# Altium PCB Copy of KaRadioWired.PcbDoc (part 2 of 3) (continued)
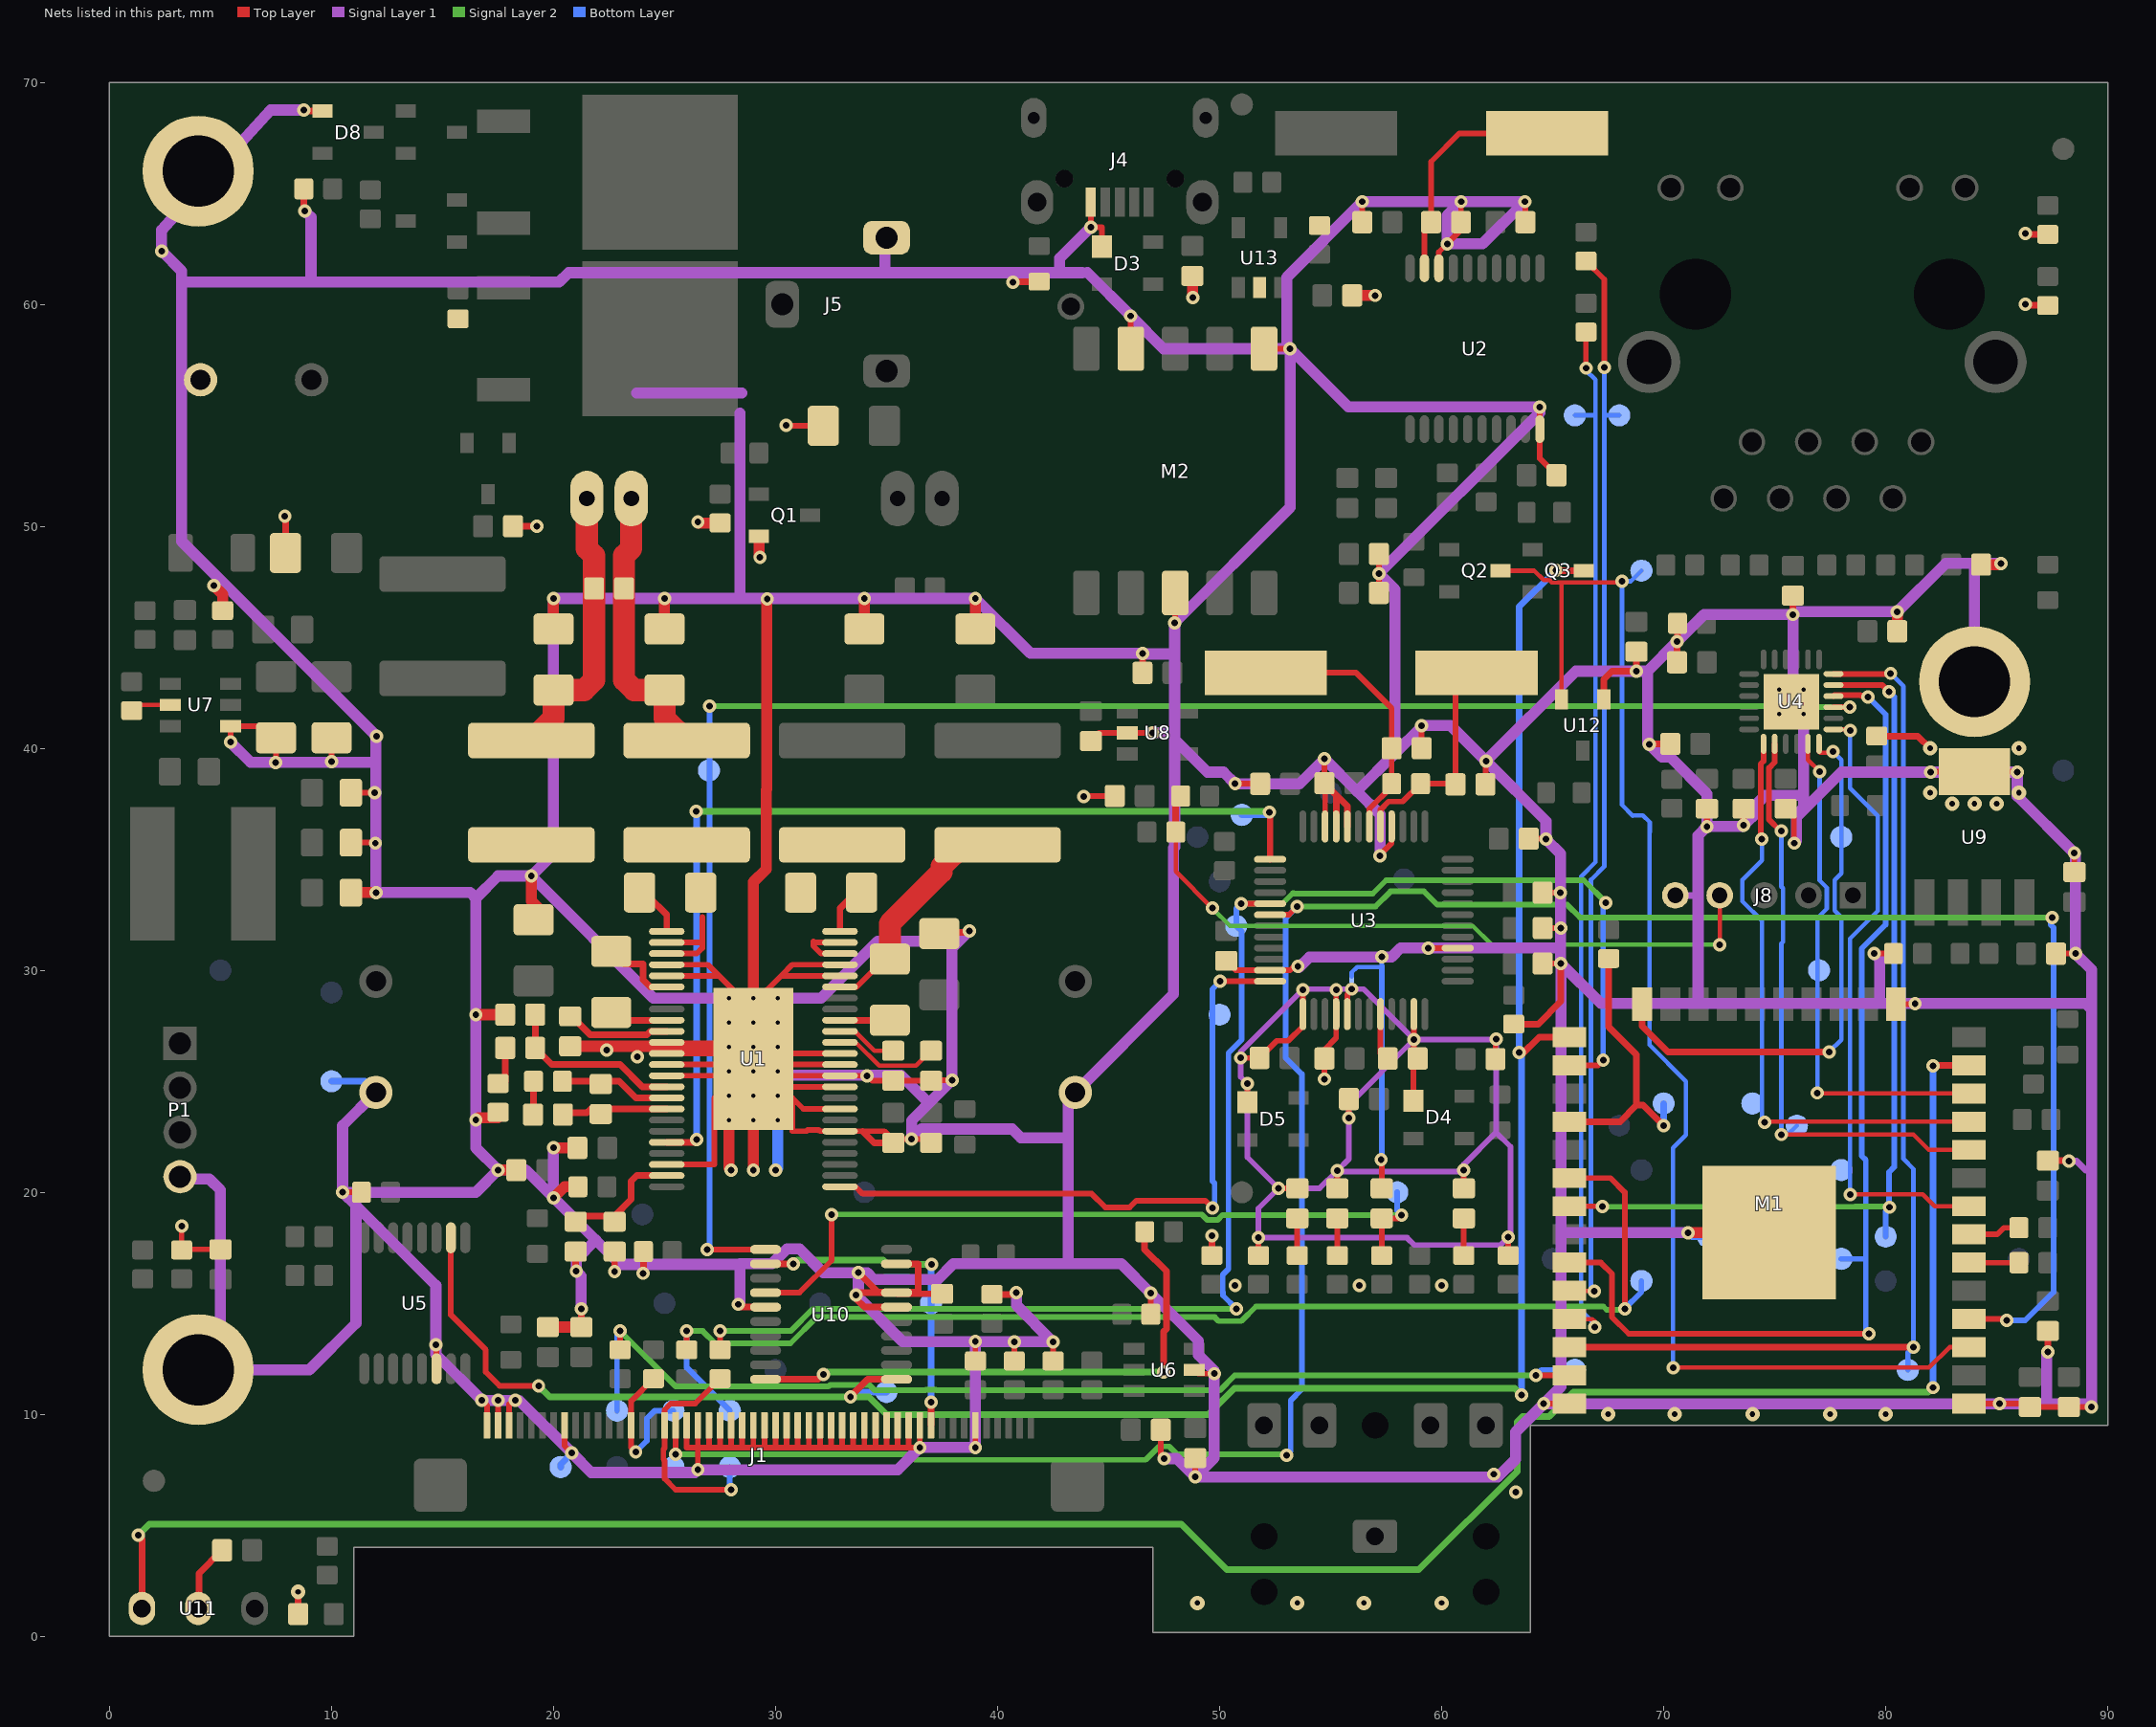
[diagram p4: the nets of this part, all layers, seen from the top]
## Nets (pads, with @x,y where several pads share a name; then routed paths per layer and width w, separated by ;. In a path a pad name is that pad's centre, name@x,y a point inside that pad or via, vN(x,y) a via of type N, cw(c..) or ccw(c..) an arc to the next point about the centre after c; other vN are vias at no path point) (continued)
  Top Layer w0.3: M1.24@69.035,28.48 69.035,27.49 70.2,26.325 v2(77.45,26.325)
  Bottom Layer w0.2: v2(77.45,26.325) 78,26.875 78,32.382 77.7,32.682 77.7,34.068 78,34.368 TP31.1@78,36 78,39.475 v2(77.625,39.85)
Eth_nRST: TP33.1 U4.15 U10.11 | length 79.4
  Top Layer w0.254: v2(26.925,17.425) U10.11@29.55,17.425 ; U4.15@77.65,41.85 v2(78.375,41.85)
  Signal Layer 2 w0.254: v2(27.025,41.9) 74.84,41.9 74.992,42.052 76.508,42.052 76.71,41.85 v2(78.375,41.85)
  Bottom Layer w0.254: v2(26.925,17.425) 27.025,17.525 v2(27.025,41.9)
Eth_RXD0: M1.10 TP28.1 U4.8 | length 27.6
  Top Layer w0.2: v2(75.3,22.6) 81.25,22.6 81.94,21.91 M1.10@83.75,21.91
  Top Layer w0.254: U4.8@75,40.2 75,39.365 74.748,39.113 74.748,36.787 75.26,36.275 v2(75.3,36.275)
  Bottom Layer w0.2: v2(75.3,36.275) 75.3,33.767 75.375,33.692 75.375,31.275 75.3,31.2 v2(75.3,22.6) 75.6,22.6 TP28.1@76,23
Eth_RXD1: M1.11 TP29.1 U4.7 | length 27
  Top Layer w0.2: v2(74.55,23.15) 74.58,23.18 M1.11@83.75,23.18
  Top Layer w0.254: v2@74.369,35.956 74.369,39.294 74.5,39.425 U4.7@74.5,40.2
  Bottom Layer w0.2: v2(74.425,35.9) 74.425,34.95 73.55,34.075 73.55,33.108 74.425,32.233 74.425,23.275 v2(74.55,23.15)
Eth_TXD0: M1.31 TP25.1 U4.17 | length 41.9
  Top Layer w0.254: M1.31@65.75,19.37 67.23,19.37 v2(67.25,19.35) ; U4.17@77.65,42.85 78.95,42.85 78.955,42.855 79.845,42.855 v2(80.15,42.55)
  Signal Layer 2 w0.254: v2(67.25,19.35) 67.252,19.348 78.629,19.348 78.631,19.35 80.15,19.35 v2(80.175,19.325)
  Bottom Layer w0.254: TP25.1@80,18 80,19.15 v2(80.175,19.325) 80.148,19.352 80.148,20.904 80.381,21.137 80.381,42.319 v2(80.15,42.55)
Eth_TXD1: M1.36 TP26.1 U4.18 | length 50
  Top Layer w0.254: U4.18@77.65,43.35 80.2,43.35 v2(80.225,43.375)
  Top Layer w0.3: M1.36@65.75,13.02 81.245,13.02 v2(81.25,13.025)
  Bottom Layer w0.2: v2(80.225,43.375) 80.8,42.8 80.8,21.5 81.25,21.05 v2(81.25,13.025)
  Bottom Layer w0.254: TP26.1@81,12 81,12.775 v2(81.25,13.025)
Eth_TXEN: M1.33 TP27.1 U4.16 | length 48
  Top Layer w0.254: M1.33@65.75,16.83 67.17,16.83 67.675,16.325 67.675,14.375 68.425,13.625 v2(79.25,13.625) ; U4.16@77.65,42.35 77.702,42.402 78.862,42.402 v2@78.914,42.35
  Bottom Layer w0.254: TP27.1@78,17 79.105,17 ; v2(79.207,42.303) 79.222,42.303 80.002,41.523 80.002,32.058 78.923,30.979 78.923,21.638 79.105,21.456 79.105,17 ; v2(79.25,13.625) 79.105,13.77 79.105,17
GND: 1.1 C1.2 C2.2 C4.1 C5.1 C9.1 C10.1 C11.1 C12.1 C16.1 C17.2 C18.1 C19.2 C20.2 C21.1 C22.1 C23.1 C24.1 C28.1 C29.1 C31.2 C32.1 C33.1 C34.1 C35.1 C36.2 C37.1 C38.1 C39.2 C40.2 C41.1 C42.2 C43.2 C44.1 C45.2 C46.2 C47.2 C52.1 C53.1 C54.1 C55.1 C56.2 C57.1 C58.1 C59.2 C60.1 C61.1 C64.1 C65.1 C66.1 C68.1 C69.1 C70.1 C71.1 C72.1 C74.1 C75.1 C76.1 C77.1 C78.1 C79.2 C80.2 C83.1 C84.1 C85.1 C86.2 C87.1 C88.1 C89.1 C90.1 C91.1 D1.1 D3.1 D8.1 H1.1 H2.1 H3.1 J1.6 J1.11 J1.12 J1.13 J1.14 J1.15 J1.16 J1.17 J1.18 J1.19 J1.20 J1.21 J1.22 J1.23 J1.24 J1.25 J1.26 J1.27 J1.28 J1.29 J1.30 J1.31 J1.32 J1.43 J1.48 J1.49 J1.50 J4.5 J5.2 J8.5 L18.2 M1.1 M1.15 M1.38 M1.39 M2.3 M2.6 M2.9 P1.4 Q1.2 R2.1 R3.1 R17.1 R18.1 R19.1 R20.1 R21.1 R23.1 R34.1 R35.1 R36.2 R40.1 R42.1 R50.2 R51.1 R52.1 R56.1 R61.1 R62.2 R63.1 R64.1 R65.1 TP24.1 TP37.1 TP38.1 TP44.1 U1.4 U1.5 U1.11 U1.12 U1.13 U1.14 U1.22 U1.30 U1.32 U1.34 U1.35 U1.36 U1.37 U1.44 U1.45 U1.49 U2.8 U2.20 U3.4 U3.16 U3.20 U3.21 U3.22 U3.35 U4.25 U5.6 U6.2 U7.1 U8.2 U9.5 U10.6 U10.7 U10.9 U10.15 U11.2 U12.1 U13.2 | length 1034.9
  Top Layer w0.25: v1(3.25,18.475) R56.1@3.25,17.4 3.275,17.425 C87.1@5,17.425 ; v1(30.475,54.55) 30.5,54.525 C88.1@32.15,54.525 ; v1(43.875,37.825) 43.9,37.85 C89.1@45.275,37.85
  Top Layer w0.254: v2(5.45,40.275) U7.1@5.45,41 6.975,41 C71.1@7.5,40.475 7.5,39.375 v2(7.475,39.35) ; v2(10,39.4) 10,39.475 C72.1@10,40.475 ; v1(10.5,20) R36.2@11.35,20 ; C69.1@10.875,35.75 11.95,35.75 v2(11.975,35.725) ; C70.1@10.875,38 v2(11.95,38) v2@11.975,38.025 ; v1(14.7,13.125) 14.725,13.1 U5.6@14.725,12.05 ; v1(16.775,10.625) 17,10.4 J1.50@17,9.5 ; J1.49@17.5,9.5 v1(17.5,10.625) ; J1.48@18,9.5 18,10.45 18.175,10.625 v1(18.275,10.625) ; J1.43@20.5,9.5 20.5,8.575 v1(20.825,8.25) ; U1.22@25.1,21.25 27.25,21.25 27.25,24.25 U1.49@28.25,25.25 ; U1.14@25.1,25.25 U1.49@28.25,25.25 ; U1.13@25.1,25.75 U1.49@27.9,25.75 ; U1.12@25.1,26.25 U1.49@27.9,26.25 ; U1.5@25.1,29.75 27.45,29.75 ; U1.4@25.1,30.25 26.95,30.25 27.45,29.75 ; J1.32@26,9.5 26,8.5 26.5,8.5 ; v2(26.5,7.5) 26.5,8.5 ; J1.31@26.5,9.5 26.5,8.5 ; J1.30@27,9.5 27,8.525 26.975,8.5 ; J1.29@27.5,9.5 27.5,8.5 ; J1.28@28,9.5 28,8.5 ; J1.27@28.5,9.5 28.5,8.525 28.525,8.5 ; J1.26@29,9.5 29,8.5 ; J1.25@29.5,9.5 29.5,8.525 29.525,8.5 ; J1.24@30,9.5 30,8.525 ; U1.49@30.1,25.25 U1.35@32.9,25.25 v1(34.125,25.25) 34.35,25.025 C18.1@35.3,25.025 C17.2@37,25.025 37.025,25.05 v2(37.95,25.05) ; 30.5,8.525 J1.23@30.5,9.5 ; J1.22@31,9.5 31,8.5 ; J1.21@31.5,9.5 31.5,8.5 ; J1.20@32,9.5 32,8.55 31.95,8.5 ; J1.19@32.5,9.5 32.5,8.55 32.45,8.5 ; U1.32@32.9,23.75 31.25,23.75 U1.49@30.75,24.25 ; U1.34@32.9,24.75 U1.49@30.25,24.75 ; U1.36@32.9,25.75 U1.49@29.25,25.75 ; U1.37@32.9,26.25 29.25,26.25 U1.49@29,26 ; U1.44@32.9,29.75 30.35,29.75 30.3,29.8 ; U1.45@32.9,30.25 30.75,30.25 30.3,29.8 ; J1.18@33,9.5 33,8.525 33.025,8.5 ; J1.17@33.5,9.5 33.5,8.55 33.45,8.5 ; J1.16@34,9.5 34,8.5 ; J1.15@34.5,9.5 34.5,8.55 34.55,8.5 ; J1.14@35,9.5 35,8.5 ; J1.13@35.5,9.5 35.5,8.5 ; J1.12@36,9.5 36,8.55 36.05,8.5 ; J1.11@36.5,9.5 v1(36.5,8.5) 36.05,8.5 ; C10.1@37,22.4 v2(36.125,22.4) 35.25,22.4 34.9,22.75 33.925,22.75 U1.30@32.9,22.75 32,22.75 31.948,22.802 31.446,22.802 31.394,22.75 30.75,22.75 U1.49@30.75,24.25 ; v1(39,8.5) J1.6@39,9.5 ; R21.1@39,12.4 v1(39,13.275) ; R19.1@40.75,12.4 v1(40.75,13.25) ; R18.1@42.5,12.4 v1(42.5,13.25) ; C74.1@44.2,40.325 44.575,40.7 U8.2@45.85,40.7 v2(46.975,40.7) ; J4.5@44.2,64.6 v1(44.2,63.475) 44.7,63.475 D3.1@44.7,62.6 ; M2.9@46,58 v1(46,59.475) ; R23.1@46.9,14.5 v1(46.9,15.45) ; C22.1@47.35,9.3 47.35,8.15 v1(47.5,8) ; v1(47.975,45.65) 48,45.675 M2.3@48,47 ; U6.2@48.85,12 49.023,11.827 v1(49.755,11.827) ; v1(48.9,7.175) C64.1@48.9,8.025 ; C54.1@50.3,30.425 50.725,30 U3.35@52.275,30 53.175,30 53.35,30.175 v1(53.525,30.175) ; v1(50.7,38.4) C55.1@51.825,38.4 ; M2.6@52,58 v1(53.175,58) ; v1(54.725,39.525) C57.1@54.725,38.425 54.752,38.398 54.752,36.477 U3.22@54.75,36.475 ; C38.1@56.425,63.7 v1(56.425,64.625) ; C60.1@57.175,47 v1(57.175,47.875) C61.1@57.175,48.75 ; v2(57.225,35.15) 57.25,35.175 57.25,35.225 57.75,35.725 U3.16@57.75,36.475 ; v1(57.275,21.475) 57.275,21.4 57.3,21.375 C24.1@57.3,20.175 ; C29.1@59.1,40 v1(59.1,41.025) ; v1@59.35,31.05 v1(59.4,31) U3.4@60.725,31 ; U2.8@59.875,61.625 59.875,62.35 v1(60.25,62.725) 60.875,63.35 C23.1@60.875,63.7 v1(60.875,64.625) ; C28.1@61.975,38.375 61.975,39.4 v1(62,39.425) ; v1(63.75,64.625) 63.775,64.6 C40.2@63.775,63.7 ; C58.1@63.925,35.925 64.675,35.925 v2(64.7,35.9) ; v1(64.425,55.375) U2.20@64.425,54.375 64.425,53.05 C39.2@65.175,52.3 ; C53.1@64.55,30.3 v1(65.375,30.3) ; C76.1@64.55,31.9 v1(65.375,31.9) ; C52.1@64.55,33.5 v1(65.35,33.5) ; v1(64.6,10.475) 64.605,10.48 M1.38@65.75,10.48 ; C43.2@75.5,37.275 75.875,36.9 v1(75.875,35.725) ; v1(79.475,30.75) R42.1@80.35,30.75 ; M1.15@80.465,28.48 81.305,28.48 v1(81.325,28.5) ; v1@81.975,38.925 v1(82.025,38.925) 82.05,38.95 U9.5@84,38.95 85.9,38.95 v1(85.925,38.925) v1@85.95,38.925 ; M1.1@83.75,10.48 v2(85.125,10.48) 86.345,10.48 C56.2@86.5,10.325 C59.2@88.25,10.325 v2(89.275,10.325) ; C78.1@87.675,30.75 v1(88.55,30.75) ; C77.1@88.5,34.425 v1(88.5,35.275) ; 26.5,8.5 26.975,8.5 ; 26.975,8.5 27.5,8.5 ; 27.45,29.75 U1.49@29,28.2 ; 27.5,8.5 28,8.5 ; 28,8.5 28.525,8.5 ; U1.49@28.25,25.25 U1.49@29,26 ; 28.525,8.5 29,8.5 ; 29,8.5 29.525,8.5 ; U1.49@29,26 U1.49@29.25,25.75 ; U1.49@29,26 v3(29,26.55) v3(29,27.65) U1.49@29,28.2 ; U1.49@29,28.2 29,28.5 30.3,29.8 ; U1.49@29.25,25.75 U1.49@30.25,24.75 ; 29.525,8.5 29.975,8.5 30,8.525 ; 30,8.525 30,8.5 31,8.5 ; U1.49@30.25,24.75 U1.49@30.75,24.25 ; 31,8.5 31.5,8.5 ; 31.5,8.5 31.95,8.5 ; 31.95,8.5 32.45,8.5 ; 32.45,8.5 33.025,8.5 ; 33.025,8.5 33.45,8.5 ; 33.45,8.5 34,8.5 ; 34,8.5 34.55,8.5 ; 34.55,8.5 35,8.5 ; 35,8.5 35.5,8.5 ; 35.5,8.5 36.05,8.5
  Top Layer w0.3: U11.2@3.865,1.25 4.025,1.41 4.025,2.825 C86.2@5.075,3.875 ; v1(7.9,50.45) 7.925,50.475 C65.1@7.925,48.8 ; D1.1@8.5,1 v4(8.5,2) ; R35.1@8.75,65.2 8.75,64.2 8.8,64.15 v1(8.8,64.2) ; v1(8.75,68.75) 8.8,68.7 D8.1@9.6,68.7 ; C66.1@18.175,50 v1(19.25,50) ; C20.2@21,17.325 21,16.475 v2(21.025,16.45) ; C42.2@21.25,13.925 v2(21.25,14.75) ; v2(22.75,16.425) C19.2@22.75,17.325 ; v1(24.025,16.35) 24.05,16.375 R50.2@24.05,17.325 ; v2(28.325,14.95) 28.45,14.825 U10.15@29.55,14.825 ; v2(33.729,16.377) 34.606,15.5 36.425,15.5 36.425,16.775 U10.9@35.45,16.775 ; 33.925,22.75 34.45,22.225 C9.1@35.3,22.225 ; U10.6@35.45,14.825 34,14.825 33.625,15.2 v2(33.625,15.375) 33.725,15.475 U10.7@35.45,15.475 35.5,15.425 C80.2@37.5,15.425 ; C5.1@37.3,31.7 38.65,31.7 v2(38.725,31.775) ; R20.1@39.75,15.4 40.775,15.4 v2(40.85,15.475) ; v1(40.7,61) 40.725,61.025 L18.2@41.875,61.025 ; C75.1@46.525,43.4 v2(46.525,44.275) ; R52.1@49.65,17.15 v1(49.65,18.05) ; C57.1@54.752,38.398 55.25,37.9 ; U3.21@55.25,36.475 55.25,37.9 ; U3.20@55.75,36.475 55.75,37.4 55.25,37.9 ; R51.1@63.25,27.575 64.35,27.575 65.375,28.6 v1(65.375,30.3) ; U12.1@67.3,42.2 67.3,43.1 67.675,43.475 v2(68.775,43.475) C44.1@68.775,44.35 ; v2(69.35,40.175) 69.5,40.175 69.525,40.2 C85.1@70.3,40.2 ; C46.2@70.6,43.875 v2(70.6,44.8) 70.625,44.825 R17.1@70.625,45.625 ; v2(71.95,36.475) C37.1@71.95,37.275 ; v2(73.6,36.525) C36.2@73.6,37.275 ; v2(75.825,46.025) C31.2@75.825,46.875 ; R65.1@79.6,40.55 81.45,40.55 v4(82,40) ; v1(86.3,60) 86.35,59.95 R63.1@87.3,59.95 ; v1(86.3,63.2) 86.35,63.15 R64.1@87.3,63.15 ; v2(87.3,12.8) C83.1@87.3,13.75 ; C84.1@87.3,21.425 88.225,21.425 v2(88.25,21.4)
  Top Layer w0.5: v2(4.7,47.325) 5.1,46.925 R40.1@5.1,46.2 ; C68.1@10.875,33.5 v1(12,33.5) ; v1(16.5,23.25) 16.6,23.35 R2.1@17.5,23.35 ; v1(16.5,28) C16.1@17.825,28 ; v1(17.5,21) C11.1@18.325,21 ; v1(19,34.25) 19,33.125 C4.1@19.65,32.475 ; C41.1@19.75,13.925 C42.2@21.25,13.925 ; v1(20,19.75) 20.5,20.25 R3.1@21.1,20.25 ; v1(20,22) C12.1@21.075,22 ; C32.1@20,45.375 v1(20,46.75) ; C21.1@20.75,26.575 28.425,26.575 U1.49@29,26 v3(29,25.45) v3(29,24.35) ; C33.1@25,45.375 v1(25,46.75) ; v1(26.5,50.2) 26.55,50.15 R62.2@27.5,50.15 ; v2(28,21) 27.9,21.1 v3(27.9,23.25) v3(29,24.35) ; v2(29,21) v3(29,23.25) v3(29,24.35) ; U1.49@29,28.5 v3(29,28.75) 29,33.975 29.575,34.55 29.575,38.125 29.6,38.15 29.6,46.7 v2(29.625,46.725) ; Q1.2@29.25,49.55 29.25,48.65 v1(29.3,48.6) ; C34.1@34,45.375 v1(34,46.75) ; C35.1@39,45.375 v1(39,46.75) ; C90.1@48.775,61.275 48.775,60.325 v1(48.8,60.3) ; C91.1@55.975,60.4 v1(57,60.4) ; v2(71.1,18.175) 71.105,18.18 M1.39@74.75,18.18 ; C45.2@80.525,45.275 v2(80.525,46.15) ; C47.2@84.3,48.275 85.15,48.275 v2(85.2,48.325)
  Signal Layer 1 w0.3: J8.5@70.525,33.375 71.525,33.375 71.55,33.4 ; v2(88.25,21.4) 88.6,21.4 89,21
  Signal Layer 1 w0.5: P1.4@3.175,20.7 3.275,20.6 4.5,20.6 5,20.1 5,12 9,12 11.1,14.1 11.1,19.4 ; 3.325,61 9.075,61 ; v2(5.45,40.275) 6.35,39.375 12,39.375 ; v1(8.75,68.75) 7.25,68.75 4.414,65.624 2.35,63.35 v2(2.35,62.4) 3.25,61.5 3.25,49.325 v2(12.025,40.55) 12,40.525 12,39.375 ; v1(8.8,64.2) 9.075,63.925 9.075,61 ; C1.2@12,24.5 10.5,23 v1(10.5,20) ; v1(20,22) v1(20,19.75) ; v2(21.25,14.75) 21.25,16.225 v2(21.025,16.45) 21.025,16.975 21.9,17.85 ; 23.75,56 28.475,56 ; v2(28.325,14.95) 28.4,15.025 28.4,16.775 ; 28.4,55.1 28.4,46.75 ; v3(30.1,25.45) 30.275,25.275 35.65,25.275 36.913,24.013 ; J5.2@35,63 34.925,62.925 34.925,61.425 ; v2(38.725,31.775) 38.25,31.3 ; v2(40.85,15.475) 40.85,14.9 42.475,13.275 v1(39,13.275) ; 43.8,61.425 42.8,61.425 ; 44.05,61.425 v1(46,59.475) 47.475,58 v1(53.175,58) ; v1(44.2,63.475) 42.8,62.075 42.8,61.425 ; v2(46.975,40.7) 47.975,40.7 ; v1(47.5,8) 48.075,8 v1(48.9,7.175) ; v1(53.525,30.175) 53.575,30.125 54.05,30.6 v1(57.3,30.6) 57.75,30.6 58.15,31 v1(59.4,31) 65.275,31 65.35,31.075 ; v2(57.225,35.15) 57.225,37.025 56.188,38.063 ; v2(71.1,18.175) 65.425,18.175 65.375,18.225 ; v1(75.875,35.725) 75.975,35.825 75.975,36.9 ; v3(76.3,41.55) 76.3,37.875 ; v3(76.3,42.65) 75.825,43.125 v2(75.825,46.025) ; v1(79.475,30.75) 79.725,30.5 79.725,28.5 ; H3.1@84,43 84,48.3 84.025,48.325 ; v2(85.2,48.325) 84.025,48.325 ; v2(87.3,12.8) 87.25,12.75 87.25,10.475 ; 9.075,61 20.25,61 20.675,61.425 34.925,61.425 ; v1(10.5,20) 11.1,19.4 ; v1(10.5,20) 16.5,20 v1(17.5,21) ; 11.1,19.4 14.7,15.8 v1(14.7,13.125) 14.7,12.7 v1(16.775,10.625) v1(17.5,10.625) v1(18.275,10.625) 18.45,10.625 v1(20.825,8.25) 21.7,7.375 26.375,7.375 v2(26.5,7.5) 35.5,7.5 v1(36.5,8.5) v1(39,8.5) v1(39,13.275) ; 12,39.375 v1(12,33.5) 16.25,33.5 16.5,33.25 ; 16.5,33.25 v1(16.5,28) v1(16.5,23.25) 16.5,22 v1(17.5,21) ; 16.5,33.25 17.5,34.25 v1(19,34.25) ; v1(17.5,21) 18.75,21 v1(20,19.75) ; v1(19,34.25) 20,35.25 v1(20,46.75) v1(25,46.75) 28.4,46.75 ; v1(19,34.25) 24.5,28.75 v3(27.9,28.75) v3(29,28.75) v3(30.1,28.75) 32.05,28.75 34.6,31.3 38.25,31.3 ; v1(20,19.75) 21.9,17.85 ; 21.9,17.85 23,16.75 28.375,16.75 28.4,16.775 ; 28.4,16.775 29.845,16.775 30.52,17.45 31.08,17.45 32.153,16.377 v2(33.729,16.377) ; 28.4,46.75 v1(34,46.75) v1(39,46.75) 41.475,44.275 v2(46.525,44.275) 46.55,44.25 47.975,44.25 ; v2(33.729,16.377) 33.729,15.479 v2(33.625,15.375) 35.725,13.275 v1(39,13.275) ; v2(33.729,16.377) 34.123,16.377 34.423,16.077 37.309,16.077 38.007,16.775 43.175,16.775 ; 34.925,61.425 42.8,61.425 ; 36.913,24.013 36.125,23.225 v2(36.125,22.4) 36.575,22.85 40.655,22.85 41.055,22.45 43.175,22.45 ; 36.913,24.013 v2(37.95,25.05) 37.95,31 38.25,31.3 ; 43.175,16.775 45.575,16.775 v1(46.9,15.45) 49.05,13.3 49.05,12.67 49.755,11.965 v1(49.755,11.827) 49.755,8.03 v1(48.9,7.175) ; 43.175,16.775 43.175,22.45 ; 43.175,22.45 43.175,24.175 C2.2@43.5,24.5 47.925,28.925 47.925,35.505 47.975,35.555 47.975,40.395 ; 47.975,40.395 49.445,38.925 50.175,38.925 v1(50.7,38.4) 53.6,38.4 v1(54.725,39.525) 56.188,38.063 ; 47.975,40.395 47.975,40.7 ; 47.975,40.7 47.975,44.25 ; 47.975,44.25 v1(47.975,45.65) 53.175,50.85 v1(53.175,58) ; v1(48.9,7.175) 62.525,7.175 63.325,7.975 63.325,9.2 v1(64.6,10.475) ; v1(53.175,58) 55.8,55.375 v1(64.425,55.375) 64.425,55.125 v1(57.175,47.875) 57.9,47.15 57.9,39.775 ; v1(53.175,58) 53.025,58.15 53.025,61.225 v1(56.425,64.625) v1(60.875,64.625) ; 56.188,38.063 57.9,39.775 ; 57.9,39.775 59.1,40.975 v1(59.1,41.025) 60.4,41.025 v1(62,39.425) ; v1(60.875,64.625) v1(63.75,64.625) 61.85,62.725 v1(60.25,62.725) 60.25,64 v1(60.875,64.625) ; v1(62,39.425) 64.7,36.725 v2(64.7,35.9) 65.35,35.25 v1(65.35,33.5) 65.35,31.075 ; v1(62,39.425) 66.05,43.475 v2(68.775,43.475) 69.275,43.475 ; v1(64.6,10.475) 87.25,10.475 ; v1(64.6,10.475) 65.375,11.25 65.375,18.225 ; 65.35,31.075 65.35,30.325 v1(65.375,30.3) ; 65.375,18.225 v1(65.375,30.3) ; v1(65.375,30.3) 67.175,28.5 71.55,28.5 ; 69.275,43.475 69.275,40.25 v2(69.35,40.175) 69.925,39.6 70.3,39.6 71.95,37.95 v2(71.95,36.475) ; 69.275,43.475 v2(70.6,44.8) 71.825,46.025 v2(75.825,46.025) ; 71.55,28.5 71.55,33.4 71.55,36.075 v2(71.95,36.475) ; 71.55,28.5 79.725,28.5 ; v2(71.95,36.475) 73.55,36.475 v2(73.6,36.525) 74.25,37.175 74.25,37.55 74.575,37.875 76.3,37.875 ; v2(75.825,46.025) 75.95,46.15 v2(80.525,46.15) 82.7,48.325 84.025,48.325 ; 75.975,36.9 78,38.925 v1(82.025,38.925) v1(85.925,38.925) 85.925,37.85 v1(88.5,35.275) 88.55,35.225 v1(88.55,30.75) 89.275,30.025 89.275,28.25 ; 75.975,36.9 75.975,37 76.3,37.325 76.3,37.875 ; 79.725,28.5 v1(81.325,28.5) 89.025,28.5 89.275,28.25 ; 87.25,10.475 89.125,10.475 v2(89.275,10.325) 89.275,28.25
  Bottom Layer w0.2: 1.1@55.95,29.725 55.95,29.9 56.2,30.15 57.25,30.15 57.3,30.2 v1(57.3,30.6)
  Bottom Layer w0.254: v1(57.275,21.475) 57.3,21.5 57.3,30.2
  Bottom Layer w0.3: TP37.1@10,25 11.5,25 C1.2@12,24.5 ; TP44.1@20.32,7.62 20.32,7.745 v1(20.825,8.25) ; v2(71.1,18.175) 71.275,18 TP38.1@72,18 ; TP24.1@85,39 85.85,39 v1(85.925,38.925)
  Bottom Layer w0.5: v2(30,21) 30.1,21.1 v3(30.1,23.25)
  other v1: 63.35,6.5 62.35,7.3 23.775,26.1 22.4,26.4
  other v3: 27.9,24.35 30.1,24.35 27.9,25.45 27.9,26.55 30.1,26.55 27.9,27.65 30.1,27.65 75.2,41.55 75.2,42.65
  other v4: 49,1.5 53.5,1.5 56.5,1.5 60,1.5 67.5,10 70.5,10 74,10 77.5,10 80,10 83,37.5 84,37.5 85,37.5 82,38 86,38 86,40
IN_VS: J8.4 R57.1 R58.1 | length 31.6
  Top Layer w0.2: R58.1@48.025,36.225 48.025,34.45 v1(49.675,32.8) ; v1(72.525,31.15) J8.4@72.525,33.375
  Top Layer w0.3: R58.1@48.025,36.225 48.025,37.625 R57.1@48.25,37.85
  Signal Layer 2 w0.2: v1(49.675,32.8) 50.475,32 61.4,32 62.25,31.15 v1(72.525,31.15)
IR_Input: M1.13 U11.1 | length 106.1
  Top Layer w0.3: v2(1.3,4.55) 1.475,4.375 1.475,1.4 U11.1@1.325,1.25 ; v2(82.125,25.7) 82.145,25.72 M1.13@83.75,25.72
  Signal Layer 2 w0.3: v2(1.3,4.55) 1.8,5.05 48.275,5.05 50.325,3 58.975,3 63.4,7.425 63.4,9.65 63.65,9.9 64.838,9.9 65.938,11 81.925,11 v2(82.125,11.2)
  Bottom Layer w0.3: v2(82.125,11.2) v2(82.125,25.7)
LCD_CLK: J1.37 R30.2 TP47.1 | length 6.9
  Top Layer w0.254: v1(23.7,8.3) 23.5,8.5 J1.37@23.5,9.5 23.5,10.6 R30.2@24.5,11.6
  Bottom Layer w0.254: v1(23.7,8.3) 24.2,8.8 24.2,9.8 24.56,10.16 TP47.1@25.4,10.16
LCD_CS: M1.37 R32.1 TP15.1 TP48.1 | length 50.6
  Top Layer w0.254: R32.1@23,12.9 v1(23,13.75) ; v1(64.25,11.75) M1.37@65.75,11.75
  Signal Layer 2 w0.254: v1(23,13.75) 25.502,11.248 32.379,11.248 32.458,11.327 34.217,11.327 34.469,11.075 36.744,11.075 36.771,11.102 37.229,11.102 37.256,11.075 50.006,11.075 50.681,11.75 v1(64.25,11.75)
  Bottom Layer w0.254: TP48.1@22.86,10.16 22.86,13.61 v1(23,13.75) ; v1(64.25,11.75) 64.5,12 TP15.1@66,12
LCD_DAT-INS: M1.30 R29.1 TP13.1 TP46.1 | length 58.2
  Top Layer w0.254: R29.1@26,12.9 v1(26,13.75) ; M1.30@65.75,20.64 67.61,20.64 68.25,20 v1(68.25,14.75)
  Signal Layer 2 w0.254: v1(26,13.75) 26.719,13.75 27.271,13.198 30.667,13.198 31.84,14.371 49.779,14.371 49.952,14.198 50.979,14.198 51.637,14.856 67.286,14.856 67.438,14.704 68.204,14.704 v1(68.25,14.75)
  Bottom Layer w0.254: v1(26,13.75) 26,12.1 TP46.1@27.94,10.16 ; v1(68.25,14.75) 69,15.5 TP13.1@69,16
LCD_MOSI: J1.34 R28.2 TP45.1 | length 10.5
  Top Layer w0.254: R28.2@27.5,11.6 26.375,10.475 25.275,10.475 25,10.2 J1.34@25,9.5 25,8.481 24.948,8.429 24.948,7.971 25,7.919 25,7.1 25.5,6.6 v1(28,6.6)
  Bottom Layer w0.254: TP45.1@27.94,7.62 27.94,6.66 v1(28,6.6)
LCD_nReset: J1.10 TP11.1 U10.12 | length 14.9
  Top Layer w0.3: U10.12@29.55,16.775 v2(30.8,16.775) ; J1.10@37,9.5 v2(37,10.55)
  Signal Layer 2 w0.3: v2(30.8,16.775) 30.977,16.952 34.848,16.952 35.048,16.752 v2(37.029,16.752)
  Bottom Layer w0.3: v2(37,10.55) TP11.1@37,15 37,16.675 36.975,16.7 37.027,16.752 v2(37.029,16.752)
LRCLK: TP5.1 U1.25 U3.36 | length 30.1
  Top Layer w0.254: U1.25@32.9,20.25 33.6,20.25 33.916,19.934 44.238,19.934 44.857,19.315 45.943,19.315 46.251,19.623 49.352,19.623 v1(49.675,19.3) ; v1(50.025,29.5) U3.36@52.275,29.5
  Bottom Layer w0.254: v1(49.675,19.3) 49.777,19.402 49.777,20.404 49.675,20.506 49.675,29.15 v1(50.025,29.5)
MCLK: TP6.1 U1.20 U3.25 | length 45.5
  Top Layer w0.3: U1.20@25.1,22.25 26.325,22.25 v2(26.45,22.375) ; v2(52.25,37.125) 52.275,37.1 U3.25@52.275,35
  Signal Layer 2 w0.3: v2(26.425,37.15) 52.225,37.15 v2(52.25,37.125)
  Bottom Layer w0.3: v2(26.425,37.15) 26.45,37.125 v2(26.45,22.375) ; TP6.1@51,37 52.125,37 v2(52.25,37.125)
MISO: J1.33 M1.4 TP43.1 U3.30 | length 112.3
  Top Layer w0.254: v1(25.5,8.2) J1.33@25.5,9.5 ; U3.30@52.275,32.5 53.125,32.5 v1(53.5,32.875) ; M1.4@83.75,14.29 v1@85.45,14.29
  Signal Layer 2 w0.254: v1(25.5,8.2) 36.019,8.2 36.271,7.948 46.667,7.948 47.271,8.552 47.729,8.552 48.081,8.2 52.975,8.2 v1(53.025,8.15) ; v1(53.5,32.875) 57.025,32.875 57.702,33.552 59.204,33.552 59.808,32.948 65.657,32.948 66.226,32.379 87.496,32.379 v1(87.5,32.375)
  Bottom Layer w0.254: v1(53.025,8.15) 53.2,8.325 53.2,10.625 53.702,11.127 53.702,25.323 52.973,26.052 52.973,32.348 v1(53.5,32.875) ; v1(85.45,14.225) 86.281,14.225 87.559,15.503 87.559,31.922 87.425,32.056 87.425,32.3 v1(87.5,32.375)
MOSI: M1.26 R28.1 TP12.1 U3.29 | length 70.9
  Top Layer w0.254: R28.1@27.5,12.9 v1(27.5,13.75) ; v1(50.975,33) U3.29@52.275,33 ; M1.26@65.75,25.72 67.045,25.72 v1(67.275,25.95)
  Signal Layer 2 w0.254: v1(27.5,13.75) 30.683,13.75 31.683,14.75 v1(50.75,14.75) ; v1(50.975,33) 52.825,33 53.3,33.475 53.344,33.475 53.371,33.448 56.898,33.448 57.502,34.052 66.398,34.052 v1(67.4,33.05)
  Bottom Layer w0.254: v1(50.75,14.75) 50.148,15.352 50.148,15.491 50.141,15.498 50.141,16.288 50.398,16.545 50.398,26.279 51,26.881 51,31.75 TP12.1@50.75,32 50.75,32.775 v1(50.975,33) ; v1(67.275,25.95) 67.275,32.925 v1(67.4,33.05)
NetC3_1: C3.1 U1.9 | length 2.6
  Top Layer w0.3: C3.1@22.6,28.1 22.95,27.75 U1.9@25.1,27.75
NetC3_2: C3.2 L1.1 U1.6 | length 3.6
  Top Layer w0.3: C3.2@22.6,30.85 23.175,30.275 24.025,30.275 24.025,29.574 24.349,29.25 U1.6@25.1,29.25
NetC6_1: C6.1 U1.1 | length 1.9
  Top Layer w0.3: C6.1@24.3,33.3 25.1,32.5 U1.1@25.1,31.75
NetC6_2: C6.2 L2.1 U1.2 U1.3 | length 4.7
  Top Layer w0.254: U1.3@25.1,30.75 26.45,30.75 26.7,31 26.7,31.3 ; U1.2@25.1,31.25 26.65,31.25 26.7,31.3 ; 26.7,32.4 26.7,31.3
NetC7_1: C7.1 U1.48 | length 2.4
  Top Layer w0.3: U1.48@32.9,31.75 32.9,32.775 C7.1@33.875,33.75
NetC7_2: C7.2 L3.1 U1.46 U1.47 | length 2.8
  Top Layer w0.254: U1.46@32.9,30.75 32.05,30.75 31.7,31.1 31.7,31.3 31.75,31.25 U1.47@32.9,31.25
NetC8_1: C8.1 U1.40 | length 2.3
  Top Layer w0.3: U1.40@32.9,27.75 C8.1@35.15,27.75
NetC8_2: C8.2 L4.1 U1.43 | length 10.8
  Top Layer w0.254: U1.43@32.9,29.25 33.65,29.25 34.9,30.5 C8.2@35.15,30.5
  Top Layer w1: C8.2@35.15,30.5 35.15,32.1 37.475,34.425 37.475,34.675 38.45,35.65 L4.1@40,35.65
NetC13_1: C13.1 R1.1 U1.16 | length 5
  Top Layer w0.3: R1.1@20.4,25 22.95,25 23.7,24.25 U1.16@25.1,24.25
NetC13_2: C13.2 C14.2 U1.17 | length 4.8
  Top Layer w0.3: C14.2@20.425,23.5 20.5,23.575 21.5,23.575 21.675,23.75 U1.17@25.1,23.75
NetC14_1: C14.1 R1.2 | length 1.5
  Top Layer w0.3: C14.1@19.075,23.5 19.1,23.525 R1.2@19.1,25
NetC15_1: C15.1 R2.2 | length 2
  Top Layer w0.3: R2.2@17.5,24.65 17.825,24.975 C15.1@17.825,26.5
NetC15_2: C15.2 C16.2 U1.15 | length 8.1
  Top Layer w0.3: C16.2@19.175,28 C15.2@19.175,26.5 19.925,25.75 23,25.75 24,24.75 U1.15@25.1,24.75
NetC17_1: C17.1 U1.38 | length 4.8
  Top Layer w0.2: U1.38@32.9,26.75 33.615,26.75 34.665,25.7 36.325,25.7 C17.1@37,26.375
NetC18_2: C18.2 U1.39 | length 2.8
  Top Layer w0.2: U1.39@32.9,27.25 33.575,27.25 33.7,27.125 33.705,27.125 34.455,26.375 C18.2@35.3,26.375
NetC19_1: C19.1 C20.1 U1.23 | length 5.3
  Top Layer w0.3: C20.1@21,18.925 22.75,18.925 23.5,19.675 23.5,20.5 23.75,20.75 U1.23@25.1,20.75
NetC21_2: C21.2 U1.10 | length 4.8
  Top Layer w0.3: C21.2@20.75,27.925 20.825,27.925 21.65,27.1 24.199,27.1 24.349,27.25 U1.10@25.1,27.25
NetC23_2: C23.2 U2.9 Y2.1 | length 10.7
  Top Layer w0.254: U2.9@59.225,61.625 59.225,63.4 C23.2@59.525,63.7 59.525,66.425 60.8,67.7 Y2.1@64.75,67.7
NetC25_2: C25.2 R6.1 | length 1.7
  Top Layer w0.254: R6.1@55.3,17.15 C25.2@55.3,18.825
NetC26_2: C26.2 R7.1 | length 1.7
  Top Layer w0.254: R7.1@53.5,17.15 C26.2@53.5,18.825
NetC27_2: C27.2 R8.1 | length 1.7
  Top Layer w0.254: R8.1@61,17.15 C27.2@61,18.825
NetC28_2: C28.2 R11.2 U3.17 Y1.1 | length 10
  Top Layer w0.254: U3.17@57.25,36.475 57.25,37.239 57.611,37.6 58.25,37.6 R11.2@59.05,38.4 60.6,38.4 C28.2@60.625,38.375 60.625,42.45 Y1.1@61.575,43.4
NetC29_2: C29.2 R11.1 U3.18 Y1.2 | length 12.1
  Top Layer w0.254: Y1.2@52.075,43.4 56.15,43.4 57.75,41.8 C29.2@57.75,40 R11.1@57.75,38.4 57.75,38.275 56.75,37.275 U3.18@56.75,36.475
NetC30_2: C30.2 U3.44 | length 1.8
  Top Layer w0.254: U3.44@57.25,28.025 57.25,26.25 C30.2@57.3,26.2
NetC32_2: C32.2 C81.2 J6.1 L1.2 | length 13
  Top Layer w1: L1.2@19,40.35 20,41.35 C32.2@20,42.625 21.375,42.625 21.825,43.075 C81.2@21.825,47.2 21.825,48.675 21.5,49 J6.1@21.5,51.25
NetC33_2: C33.2 C81.1 J6.2 L2.2 | length 13
  Top Layer w1: J6.2@23.5,51.25 23.5,49 23.175,48.675 C81.1@23.175,47.2 23.175,43.075 23.625,42.625 C33.2@25,42.625 25,41.35 L2.2@26,40.35